# Altium PCB mantarray_beta2_sensor_arrayed.PcbDoc (part 6 of 14) (continued)
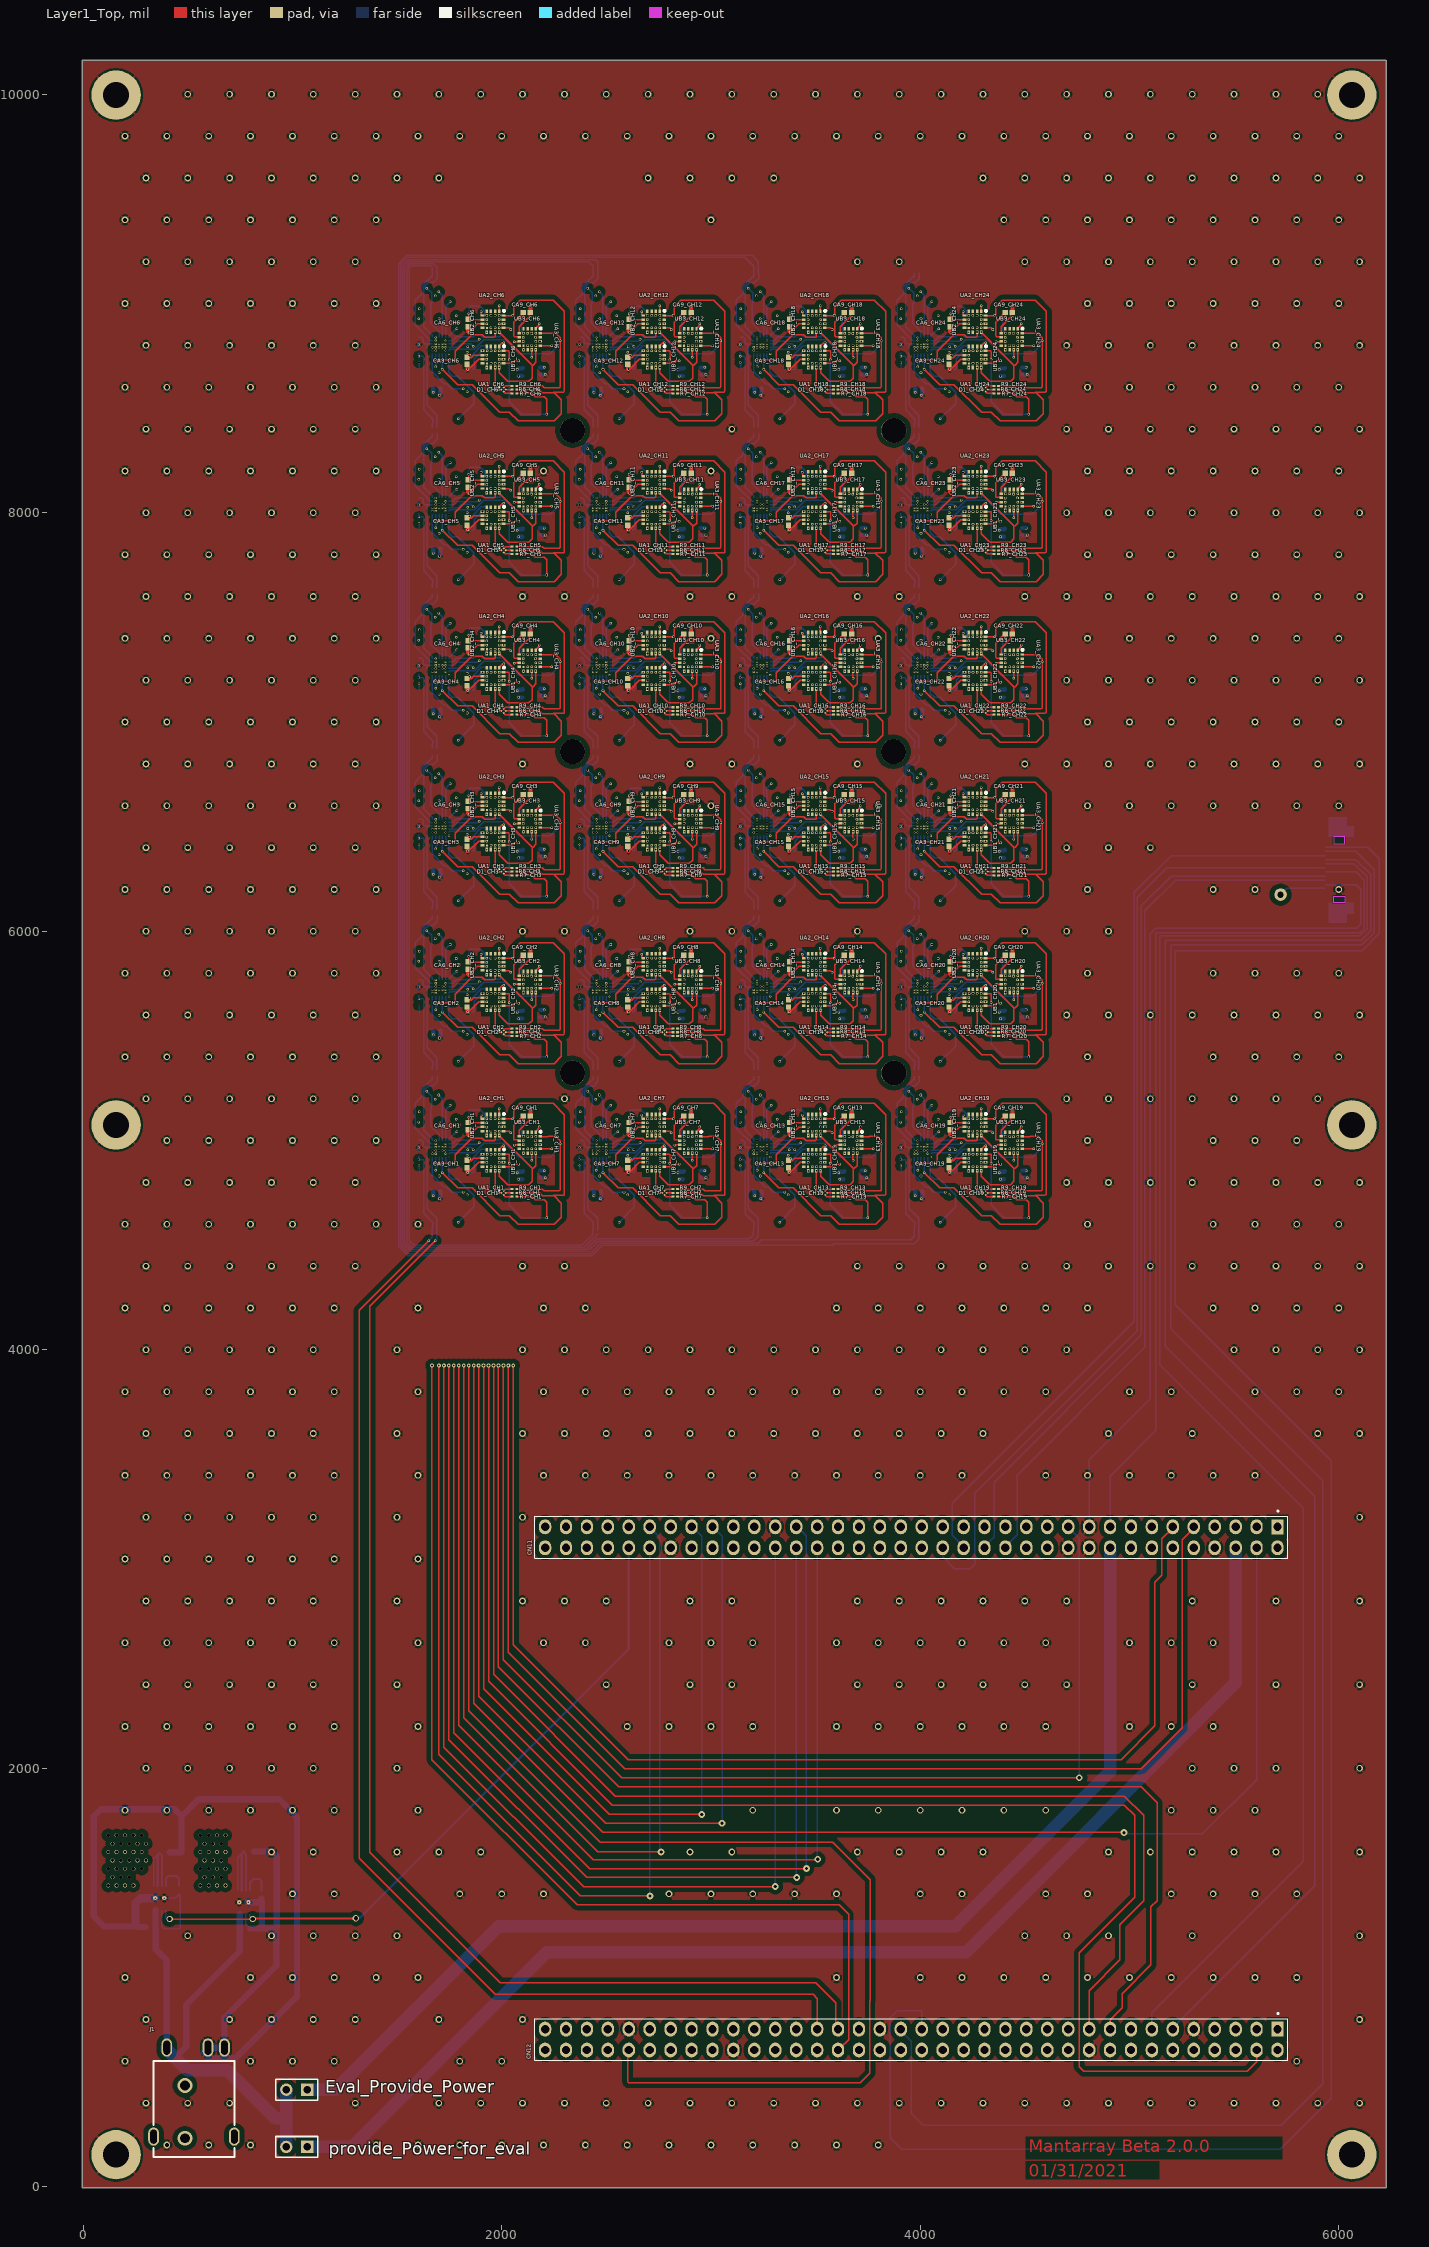
[diagram p0: Layer1_Top view]
## Nets (pads, with @x,y where several pads share a name; then routed paths per layer and width w, separated by ;. In a path a pad name is that pad's centre, name@x,y a point inside that pad or via, vN(x,y) a via of type N, cw(c..) or ccw(c..) an arc to the next point about the centre after c; other vN are vias at no path point) (continued)
BUS_C3: CN11.40
BUS_C4: CN11.39
BUS_C5: CN11.41
BUS_C6: CN11.43
BUS_C7: CN11.45
cap_A_CH1: CA3_CH1.2 UA1_CH1.4 UB1_CH1.10 | length 224.4
  Layer1_Top w6: CA3_CH1.2@1834.65,4905.12 1836.22,4903.54 1854.33,4903.54 1866.14,4915.35 UB1_CH1.10@1908.46,4915.35 ; UA1_CH1.4@1929.63,4935.25 1930.89,4935.25 v1(1931.1,4935.04)
  Layer1_Top w12: CA3_CH1.2@1834.65,4905.12 1834.65,4905.91 1840.85,4912.11 1841.64,4912.11 1842.91,4913.39 v1(1846.46,4913.39)
  Layer8_BOT w6: v1(1846.46,4913.39) 1858.27,4913.39 1903.54,4958.66 1929.56,4958.66 1933.07,4955.15 1933.07,4941.25 1932.25,4940.43 1932.25,4936.19 v1(1931.1,4935.04)
cap_A_CH2: CA3_CH2.2 UA1_CH2.4 UB1_CH2.10 | length 224.4
  Layer1_Top w6: CA3_CH2.2@1834.65,5672.83 1836.22,5671.26 1854.33,5671.26 1866.14,5683.07 UB1_CH2.10@1908.46,5683.07 ; UA1_CH2.4@1929.63,5702.96 1930.89,5702.96 v1(1931.1,5702.76)
  Layer1_Top w12: CA3_CH2.2@1834.65,5672.83 1834.65,5673.62 1840.85,5679.83 1841.64,5679.83 1842.91,5681.1 v1(1846.46,5681.1)
  Layer8_BOT w6: v1(1846.46,5681.1) 1858.27,5681.1 1903.54,5726.38 1929.56,5726.38 1933.07,5722.86 1933.07,5708.97 1932.25,5708.15 1932.25,5703.9 v1(1931.1,5702.76)
cap_A_CH3: CA3_CH3.2 UA1_CH3.4 UB1_CH3.10 | length 224.4
  Layer1_Top w6: CA3_CH3.2@1834.65,6440.55 1836.22,6438.98 1854.33,6438.98 1866.14,6450.79 UB1_CH3.10@1908.46,6450.79 ; UA1_CH3.4@1929.63,6470.68 1930.89,6470.68 v1(1931.1,6470.47)
  Layer1_Top w12: CA3_CH3.2@1834.65,6440.55 1834.65,6441.34 1840.85,6447.54 1841.64,6447.54 1842.91,6448.82 v1(1846.46,6448.82)
  Layer8_BOT w6: v1(1846.46,6448.82) 1858.27,6448.82 1903.54,6494.09 1929.56,6494.09 1933.07,6490.58 1933.07,6476.68 1932.25,6475.86 1932.25,6471.62 v1(1931.1,6470.47)
cap_A_CH4: CA3_CH4.2 UA1_CH4.4 UB1_CH4.10 | length 224.4
  Layer1_Top w6: CA3_CH4.2@1834.65,7208.27 1836.22,7206.69 1854.33,7206.69 1866.14,7218.5 UB1_CH4.10@1908.46,7218.5 ; UA1_CH4.4@1929.63,7238.4 1930.89,7238.4 v1(1931.1,7238.19)
  Layer1_Top w12: CA3_CH4.2@1834.65,7208.27 1834.65,7209.06 1840.85,7215.26 1841.64,7215.26 1842.91,7216.54 v1(1846.46,7216.54)
  Layer8_BOT w6: v1(1846.46,7216.54) 1858.27,7216.54 1903.54,7261.81 1929.56,7261.81 1933.07,7258.3 1933.07,7244.4 1932.25,7243.58 1932.25,7239.34 v1(1931.1,7238.19)
cap_A_CH5: CA3_CH5.2 UA1_CH5.4 UB1_CH5.10 | length 224.4
  Layer1_Top w6: CA3_CH5.2@1834.65,7975.98 1836.22,7974.41 1854.33,7974.41 1866.14,7986.22 UB1_CH5.10@1908.46,7986.22 ; UA1_CH5.4@1929.63,8006.11 1930.89,8006.11 v1(1931.1,8005.91)
  Layer1_Top w12: CA3_CH5.2@1834.65,7975.98 1834.65,7976.77 1840.85,7982.98 1841.64,7982.98 1842.91,7984.25 v1(1846.46,7984.25)
  Layer8_BOT w6: v1(1846.46,7984.25) 1858.27,7984.25 1903.54,8029.53 1929.56,8029.53 1933.07,8026.01 1933.07,8012.12 1932.25,8011.3 1932.25,8007.05 v1(1931.1,8005.91)
cap_A_CH6: CA3_CH6.2 UA1_CH6.4 UB1_CH6.10 | length 224.4
  Layer1_Top w6: CA3_CH6.2@1834.65,8743.7 1836.22,8742.13 1854.33,8742.13 1866.14,8753.94 UB1_CH6.10@1908.46,8753.94 ; UA1_CH6.4@1929.63,8773.83 1930.89,8773.83 v1(1931.1,8773.62)
  Layer1_Top w12: CA3_CH6.2@1834.65,8743.7 1834.65,8744.49 1840.85,8750.69 1841.64,8750.69 1842.91,8751.97 v1(1846.46,8751.97)
  Layer8_BOT w6: v1(1846.46,8751.97) 1858.27,8751.97 1903.54,8797.24 1929.56,8797.24 1933.07,8793.73 1933.07,8779.83 1932.25,8779.01 1932.25,8774.77 v1(1931.1,8773.62)
cap_A_CH7: CA3_CH7.2 UA1_CH7.4 UB1_CH7.10 | length 224.4
  Layer1_Top w6: CA3_CH7.2@2602.36,4905.12 2603.94,4903.54 2622.05,4903.54 2633.86,4915.35 UB1_CH7.10@2676.18,4915.35 ; UA1_CH7.4@2697.26,4935.16 2698.61,4935.25 v1(2698.82,4935.04)
  Layer1_Top w12: CA3_CH7.2@2602.36,4905.12 2602.36,4905.91 2608.57,4912.11 2609.35,4912.11 2610.63,4913.39 v1(2614.17,4913.39)
  Layer8_BOT w6: v1(2614.17,4913.39) 2625.98,4913.39 2671.26,4958.66 2697.27,4958.66 2700.79,4955.15 2700.79,4941.25 2699.97,4940.43 2699.97,4936.19 v1(2698.82,4935.04)
cap_A_CH8: CA3_CH8.2 UA1_CH8.4 UB1_CH8.10 | length 224.4
  Layer1_Top w6: CA3_CH8.2@2602.36,5672.83 2603.94,5671.26 2622.05,5671.26 2633.86,5683.07 UB1_CH8.10@2676.18,5683.07 ; UA1_CH8.4@2697.34,5702.96 2698.61,5702.96 v1(2698.82,5702.76)
  Layer1_Top w12: CA3_CH8.2@2602.36,5672.83 2602.36,5673.62 2608.57,5679.83 2609.35,5679.83 2610.63,5681.1 v1(2614.17,5681.1)
  Layer8_BOT w6: v1(2614.17,5681.1) 2625.98,5681.1 2671.26,5726.38 2697.27,5726.38 2700.79,5722.86 2700.79,5708.97 2699.97,5708.15 2699.97,5703.9 v1(2698.82,5702.76)
cap_A_CH9: CA3_CH9.2 UA1_CH9.4 UB1_CH9.10 | length 224.4
  Layer1_Top w6: CA3_CH9.2@2602.36,6440.55 2603.94,6438.98 2622.05,6438.98 2633.86,6450.79 UB1_CH9.10@2676.18,6450.79 ; UA1_CH9.4@2697.34,6470.68 2698.61,6470.68 v1(2698.82,6470.47)
  Layer1_Top w12: CA3_CH9.2@2602.36,6440.55 2602.36,6441.34 2608.57,6447.54 2609.35,6447.54 2610.63,6448.82 v1(2614.17,6448.82)
  Layer8_BOT w6: v1(2614.17,6448.82) 2625.98,6448.82 2671.26,6494.09 2697.27,6494.09 2700.79,6490.58 2700.79,6476.68 2699.97,6475.86 2699.97,6471.62 v1(2698.82,6470.47)
cap_A_CH10: CA3_CH10.2 UA1_CH10.4 UB1_CH10.10 | length 224.4
  Layer1_Top w6: CA3_CH10.2@2602.36,7208.27 2603.94,7206.69 2622.05,7206.69 2633.86,7218.5 UB1_CH10.10@2676.18,7218.5 ; UA1_CH10.4@2697.34,7238.4 2698.61,7238.4 v1(2698.82,7238.19)
  Layer1_Top w12: CA3_CH10.2@2602.36,7208.27 2602.36,7209.06 2608.57,7215.26 2609.35,7215.26 2610.63,7216.54 v1(2614.17,7216.54)
  Layer8_BOT w6: v1(2614.17,7216.54) 2625.98,7216.54 2671.26,7261.81 2697.27,7261.81 2700.79,7258.3 2700.79,7244.4 2699.97,7243.58 2699.97,7239.34 v1(2698.82,7238.19)
cap_A_CH11: CA3_CH11.2 UA1_CH11.4 UB1_CH11.10 | length 224.4
  Layer1_Top w6: CA3_CH11.2@2602.36,7975.98 2603.94,7974.41 2622.05,7974.41 2633.86,7986.22 UB1_CH11.10@2676.18,7986.22 ; UA1_CH11.4@2697.34,8006.11 2698.61,8006.11 v1(2698.82,8005.91)
  Layer1_Top w12: CA3_CH11.2@2602.36,7975.98 2602.36,7976.77 2608.57,7982.98 2609.35,7982.98 2610.63,7984.25 v1(2614.17,7984.25)
  Layer8_BOT w6: v1(2614.17,7984.25) 2625.98,7984.25 2671.26,8029.53 2697.27,8029.53 2700.79,8026.01 2700.79,8012.12 2699.97,8011.3 2699.97,8007.05 v1(2698.82,8005.91)
cap_A_CH12: CA3_CH12.2 UA1_CH12.4 UB1_CH12.10 | length 224.4
  Layer1_Top w6: CA3_CH12.2@2602.36,8743.7 2603.94,8742.13 2622.05,8742.13 2633.86,8753.94 UB1_CH12.10@2676.18,8753.94 ; UA1_CH12.4@2697.34,8773.83 2698.61,8773.83 v1(2698.82,8773.62)
  Layer1_Top w12: CA3_CH12.2@2602.36,8743.7 2602.36,8744.49 2608.57,8750.69 2609.35,8750.69 2610.63,8751.97 v1(2614.17,8751.97)
  Layer8_BOT w6: v1(2614.17,8751.97) 2625.98,8751.97 2671.26,8797.24 2697.27,8797.24 2700.79,8793.73 2700.79,8779.83 2699.97,8779.01 2699.97,8774.77 v1(2698.82,8773.62)
cap_A_CH13: CA3_CH13.2 UA1_CH13.4 UB1_CH13.10 | length 224.4
  Layer1_Top w6: CA3_CH13.2@3370.08,4905.12 3371.65,4903.54 3389.76,4903.54 3401.57,4915.35 UB1_CH13.10@3443.9,4915.35 ; UA1_CH13.4@3465.06,4935.25 3466.33,4935.25 v1(3466.54,4935.04)
  Layer1_Top w12: CA3_CH13.2@3370.08,4905.12 3370.08,4905.91 3376.28,4912.11 3377.07,4912.11 3378.35,4913.39 v1(3381.89,4913.39)
  Layer8_BOT w6: v1(3381.89,4913.39) 3393.7,4913.39 3438.98,4958.66 3464.99,4958.66 3468.5,4955.15 3468.5,4941.25 3467.68,4940.43 3467.68,4936.19 v1(3466.54,4935.04)
cap_A_CH14: CA3_CH14.2 UA1_CH14.4 UB1_CH14.10 | length 224.4
  Layer1_Top w6: CA3_CH14.2@3370.08,5672.83 3371.65,5671.26 3389.76,5671.26 3401.57,5683.07 UB1_CH14.10@3443.9,5683.07 ; UA1_CH14.4@3465.06,5702.96 3466.33,5702.96 v1(3466.54,5702.76)
  Layer1_Top w12: CA3_CH14.2@3370.08,5672.83 3370.08,5673.62 3376.28,5679.83 3377.07,5679.83 3378.35,5681.1 v1(3381.89,5681.1)
  Layer8_BOT w6: v1(3381.89,5681.1) 3393.7,5681.1 3438.98,5726.38 3464.99,5726.38 3468.5,5722.86 3468.5,5708.97 3467.68,5708.15 3467.68,5703.9 v1(3466.54,5702.76)
cap_A_CH15: CA3_CH15.2 UA1_CH15.4 UB1_CH15.10 | length 224.4
  Layer1_Top w6: CA3_CH15.2@3370.08,6440.55 3371.65,6438.98 3389.76,6438.98 3401.57,6450.79 UB1_CH15.10@3443.9,6450.79 ; UA1_CH15.4@3465.06,6470.68 3466.33,6470.68 v1(3466.54,6470.47)
  Layer1_Top w12: CA3_CH15.2@3370.08,6440.55 3370.08,6441.34 3376.28,6447.54 3377.07,6447.54 3378.35,6448.82 v1(3381.89,6448.82)
  Layer8_BOT w6: v1(3381.89,6448.82) 3393.7,6448.82 3438.98,6494.09 3464.99,6494.09 3468.5,6490.58 3468.5,6476.68 3467.68,6475.86 3467.68,6471.62 v1(3466.54,6470.47)
cap_A_CH16: CA3_CH16.2 UA1_CH16.4 UB1_CH16.10 | length 224.4
  Layer1_Top w6: CA3_CH16.2@3370.08,7208.27 3371.65,7206.69 3389.76,7206.69 3401.57,7218.5 UB1_CH16.10@3443.9,7218.5 ; UA1_CH16.4@3465.06,7238.4 3466.33,7238.4 v1(3466.54,7238.19)
  Layer1_Top w12: CA3_CH16.2@3370.08,7208.27 3370.08,7209.06 3376.28,7215.26 3377.07,7215.26 3378.35,7216.54 v1(3381.89,7216.54)
  Layer8_BOT w6: v1(3381.89,7216.54) 3393.7,7216.54 3438.98,7261.81 3464.99,7261.81 3468.5,7258.3 3468.5,7244.4 3467.68,7243.58 3467.68,7239.34 v1(3466.54,7238.19)
cap_A_CH17: CA3_CH17.2 UA1_CH17.4 UB1_CH17.10 | length 224.4
  Layer1_Top w6: CA3_CH17.2@3370.08,7975.98 3371.65,7974.41 3389.76,7974.41 3401.57,7986.22 UB1_CH17.10@3443.9,7986.22 ; UA1_CH17.4@3465.06,8006.11 3466.33,8006.11 v1(3466.54,8005.91)
  Layer1_Top w12: CA3_CH17.2@3370.08,7975.98 3370.08,7976.77 3376.28,7982.98 3377.07,7982.98 3378.35,7984.25 v1(3381.89,7984.25)
  Layer8_BOT w6: v1(3381.89,7984.25) 3393.7,7984.25 3438.98,8029.53 3464.99,8029.53 3468.5,8026.01 3468.5,8012.12 3467.68,8011.3 3467.68,8007.05 v1(3466.54,8005.91)
cap_A_CH18: CA3_CH18.2 UA1_CH18.4 UB1_CH18.10 | length 224.4
  Layer1_Top w6: CA3_CH18.2@3370.08,8743.7 3371.65,8742.13 3389.76,8742.13 3401.57,8753.94 UB1_CH18.10@3443.9,8753.94 ; UA1_CH18.4@3465.06,8773.83 3466.33,8773.83 v1(3466.54,8773.62)
  Layer1_Top w12: CA3_CH18.2@3370.08,8743.7 3370.08,8744.49 3376.28,8750.69 3377.07,8750.69 3378.35,8751.97 v1(3381.89,8751.97)
  Layer8_BOT w6: v1(3381.89,8751.97) 3393.7,8751.97 3438.98,8797.24 3464.99,8797.24 3468.5,8793.73 3468.5,8779.83 3467.68,8779.01 3467.68,8774.77 v1(3466.54,8773.62)
cap_A_CH19: CA3_CH19.2 UA1_CH19.4 UB1_CH19.10 | length 224.4
  Layer1_Top w6: CA3_CH19.2@4137.8,4905.12 4139.37,4903.54 4157.48,4903.54 4169.29,4915.35 UB1_CH19.10@4211.61,4915.35 ; UA1_CH19.4@4232.78,4935.25 4234.04,4935.25 v1(4234.25,4935.04)
  Layer1_Top w12: CA3_CH19.2@4137.8,4905.12 4137.8,4905.91 4144,4912.11 4144.79,4912.11 4146.06,4913.39 v1(4149.61,4913.39)
  Layer8_BOT w6: v1(4149.61,4913.39) 4161.42,4913.39 4206.69,4958.66 4232.71,4958.66 4236.22,4955.15 4236.22,4941.25 4235.4,4940.43 4235.4,4936.19 v1(4234.25,4935.04)
cap_A_CH20: CA3_CH20.2 UA1_CH20.4 UB1_CH20.10 | length 224.4
  Layer1_Top w6: CA3_CH20.2@4137.8,5672.83 4139.37,5671.26 4157.48,5671.26 4169.29,5683.07 UB1_CH20.10@4211.61,5683.07 ; UA1_CH20.4@4232.78,5702.96 4234.04,5702.96 v1(4234.25,5702.76)
  Layer1_Top w12: CA3_CH20.2@4137.8,5672.83 4137.8,5673.62 4144,5679.83 4144.79,5679.83 4146.06,5681.1 v1(4149.61,5681.1)
  Layer8_BOT w6: v1(4149.61,5681.1) 4161.42,5681.1 4206.69,5726.38 4232.71,5726.38 4236.22,5722.86 4236.22,5708.97 4235.4,5708.15 4235.4,5703.9 v1(4234.25,5702.76)
cap_A_CH21: CA3_CH21.2 UA1_CH21.4 UB1_CH21.10 | length 224.4
  Layer1_Top w6: CA3_CH21.2@4137.8,6440.55 4139.37,6438.98 4157.48,6438.98 4169.29,6450.79 UB1_CH21.10@4211.61,6450.79 ; UA1_CH21.4@4232.78,6470.68 4234.04,6470.68 v1(4234.25,6470.47)
  Layer1_Top w12: CA3_CH21.2@4137.8,6440.55 4137.8,6441.34 4144,6447.54 4144.79,6447.54 4146.06,6448.82 v1(4149.61,6448.82)
  Layer8_BOT w6: v1(4149.61,6448.82) 4161.42,6448.82 4206.69,6494.09 4232.71,6494.09 4236.22,6490.58 4236.22,6476.68 4235.4,6475.86 4235.4,6471.62 v1(4234.25,6470.47)
cap_A_CH22: CA3_CH22.2 UA1_CH22.4 UB1_CH22.10 | length 224.4
  Layer1_Top w6: CA3_CH22.2@4137.8,7208.27 4139.37,7206.69 4157.48,7206.69 4169.29,7218.5 UB1_CH22.10@4211.61,7218.5 ; UA1_CH22.4@4232.78,7238.4 4234.04,7238.4 v1(4234.25,7238.19)
  Layer1_Top w12: CA3_CH22.2@4137.8,7208.27 4137.8,7209.06 4144,7215.26 4144.79,7215.26 4146.06,7216.54 v1(4149.61,7216.54)
  Layer8_BOT w6: v1(4149.61,7216.54) 4161.42,7216.54 4206.69,7261.81 4232.71,7261.81 4236.22,7258.3 4236.22,7244.4 4235.4,7243.58 4235.4,7239.34 v1(4234.25,7238.19)
cap_A_CH23: CA3_CH23.2 UA1_CH23.4 UB1_CH23.10 | length 224.4
  Layer1_Top w6: CA3_CH23.2@4137.8,7975.98 4139.37,7974.41 4157.48,7974.41 4169.29,7986.22 UB1_CH23.10@4211.61,7986.22 ; UA1_CH23.4@4232.78,8006.11 4234.04,8006.11 v1(4234.25,8005.91)
  Layer1_Top w12: CA3_CH23.2@4137.8,7975.98 4137.8,7976.77 4144,7982.98 4144.79,7982.98 4146.06,7984.25 v1(4149.61,7984.25)
  Layer8_BOT w6: v1(4149.61,7984.25) 4161.42,7984.25 4206.69,8029.53 4232.71,8029.53 4236.22,8026.01 4236.22,8012.12 4235.4,8011.3 4235.4,8007.05 v1(4234.25,8005.91)
cap_A_CH24: CA3_CH24.2 UA1_CH24.4 UB1_CH24.10 | length 224.4
  Layer1_Top w6: CA3_CH24.2@4137.8,8743.7 4139.37,8742.13 4157.48,8742.13 4169.29,8753.94 UB1_CH24.10@4211.61,8753.94 ; UA1_CH24.4@4232.78,8773.83 4234.04,8773.83 v1(4234.25,8773.62)
  Layer1_Top w12: CA3_CH24.2@4137.8,8743.7 4137.8,8744.49 4144,8750.69 4144.79,8750.69 4146.06,8751.97 v1(4149.61,8751.97)
  Layer8_BOT w6: v1(4149.61,8751.97) 4161.42,8751.97 4206.69,8797.24 4232.71,8797.24 4236.22,8793.73 4236.22,8779.83 4235.4,8779.01 4235.4,8774.77 v1(4234.25,8773.62)
cap_B_CH1: CA6_CH1.2 UA2_CH1.4 UB2_CH1.10 | length 237.2
  Layer1_Top w6: v1(1842.52,5112.2) 1842.52,5088.19 CA6_CH1.2@1840.55,5086.22 1842.12,5084.65 1902.7,5084.65 UB2_CH1.10@1904.28,5086.22 ; UB2_CH1.10@1906.08,5086.22 1906.89,5086.22 UB2_CH1.10@1908.46,5084.65
  Layer8_BOT w6: v1(1842.52,5112.2) 1844.49,5114.17 1844.49,5141.73 1850.39,5147.64 1897.64,5147.64 1919.95,5125.33 1919.95,5113.52 v1(1929.13,5104.33)
cap_B_CH2: CA6_CH2.2 UA2_CH2.4 UB2_CH2.10 | length 237.2
  Layer1_Top w6: v1(1842.52,5879.92) 1842.52,5855.91 CA6_CH2.2@1840.55,5853.94 1842.12,5852.36 1902.7,5852.36 UB2_CH2.10@1904.28,5853.94 ; UB2_CH2.10@1906.08,5853.94 1906.89,5853.94 UB2_CH2.10@1908.46,5852.36
  Layer8_BOT w6: v1(1842.52,5879.92) 1844.49,5881.89 1844.49,5909.45 1850.39,5915.35 1897.64,5915.35 1919.95,5893.04 1919.95,5881.23 v1(1929.13,5872.05)
cap_B_CH3: CA6_CH3.2 UA2_CH3.4 UB2_CH3.10 | length 237.2
  Layer1_Top w6: v1(1842.52,6647.64) 1842.52,6623.62 CA6_CH3.2@1840.55,6621.65 1842.12,6620.08 1902.7,6620.08 UB2_CH3.10@1904.28,6621.65 ; UB2_CH3.10@1906.08,6621.65 1906.89,6621.65 UB2_CH3.10@1908.46,6620.08
  Layer8_BOT w6: v1(1842.52,6647.64) 1844.49,6649.61 1844.49,6677.17 1850.39,6683.07 1897.64,6683.07 1919.95,6660.76 1919.95,6648.95 v1(1929.13,6639.76)
cap_B_CH4: CA6_CH4.2 UA2_CH4.4 UB2_CH4.10 | length 237.2
  Layer1_Top w6: v1(1842.52,7415.35) 1842.52,7391.34 CA6_CH4.2@1840.55,7389.37 1842.12,7387.8 1902.7,7387.8 UB2_CH4.10@1904.28,7389.37 ; UB2_CH4.10@1906.08,7389.37 1906.89,7389.37 UB2_CH4.10@1908.46,7387.8
  Layer8_BOT w6: v1(1842.52,7415.35) 1844.49,7417.32 1844.49,7444.88 1850.39,7450.79 1897.64,7450.79 1919.95,7428.48 1919.95,7416.67 v1(1929.13,7407.48)
cap_B_CH5: CA6_CH5.2 UA2_CH5.4 UB2_CH5.10 | length 237.2
  Layer1_Top w6: v1(1842.52,8183.07) 1842.52,8159.06 CA6_CH5.2@1840.55,8157.09 1842.12,8155.51 1902.7,8155.51 UB2_CH5.10@1904.28,8157.09 ; UB2_CH5.10@1906.08,8157.09 1906.89,8157.09 UB2_CH5.10@1908.46,8155.51
  Layer8_BOT w6: v1(1842.52,8183.07) 1844.49,8185.04 1844.49,8212.6 1850.39,8218.5 1897.64,8218.5 1919.95,8196.19 1919.95,8184.38 v1(1929.13,8175.2)
cap_B_CH6: CA6_CH6.2 UA2_CH6.4 UB2_CH6.10 | length 237.2
  Layer1_Top w6: v1(1842.52,8950.79) 1842.52,8926.77 CA6_CH6.2@1840.55,8924.8 1842.12,8923.23 1902.7,8923.23 UB2_CH6.10@1904.28,8924.8 ; UB2_CH6.10@1906.08,8924.8 1906.89,8924.8 UB2_CH6.10@1908.46,8923.23
  Layer8_BOT w6: v1(1842.52,8950.79) 1844.49,8952.76 1844.49,8980.31 1850.39,8986.22 1897.64,8986.22 1919.95,8963.91 1919.95,8952.1 v1(1929.13,8942.91)
cap_B_CH7: CA6_CH7.2 UA2_CH7.4 UB2_CH7.10 | length 237.2
  Layer1_Top w6: v1(2610.24,5112.2) 2610.24,5088.19 CA6_CH7.2@2608.27,5086.22 2609.84,5084.65 2670.42,5084.65 UB2_CH7.10@2671.99,5086.22 ; UB2_CH7.10@2673.79,5086.22 2674.61,5086.22 UB2_CH7.10@2676.18,5084.65
  Layer8_BOT w6: v1(2610.24,5112.2) 2612.2,5114.17 2612.2,5141.73 2618.11,5147.64 2665.35,5147.64 2687.66,5125.33 2687.66,5113.52 v1(2696.85,5104.33)
cap_B_CH8: CA6_CH8.2 UA2_CH8.4 UB2_CH8.10 | length 237.2
  Layer1_Top w6: v1(2610.24,5879.92) 2610.24,5855.91 CA6_CH8.2@2608.27,5853.94 2609.84,5852.36 2670.42,5852.36 UB2_CH8.10@2671.99,5853.94 ; UB2_CH8.10@2673.79,5853.94 2674.61,5853.94 UB2_CH8.10@2676.18,5852.36
  Layer8_BOT w6: v1(2610.24,5879.92) 2612.2,5881.89 2612.2,5909.45 2618.11,5915.35 2665.35,5915.35 2687.66,5893.04 2687.66,5881.23 v1(2696.85,5872.05)
cap_B_CH9: CA6_CH9.2 UA2_CH9.4 UB2_CH9.10 | length 237.2
  Layer1_Top w6: v1(2610.24,6647.64) 2610.24,6623.62 CA6_CH9.2@2608.27,6621.65 2609.84,6620.08 2670.42,6620.08 UB2_CH9.10@2671.99,6621.65 ; UB2_CH9.10@2673.79,6621.65 2674.61,6621.65 UB2_CH9.10@2676.18,6620.08
  Layer8_BOT w6: v1(2610.24,6647.64) 2612.2,6649.61 2612.2,6677.17 2618.11,6683.07 2665.35,6683.07 2687.66,6660.76 2687.66,6648.95 v1(2696.85,6639.76)
cap_B_CH10: CA6_CH10.2 UA2_CH10.4 UB2_CH10.10 | length 237.2
  Layer1_Top w6: v1(2610.24,7415.35) 2610.24,7391.34 CA6_CH10.2@2608.27,7389.37 2609.84,7387.8 2670.42,7387.8 UB2_CH10.10@2671.99,7389.37 ; UB2_CH10.10@2673.79,7389.37 2674.61,7389.37 UB2_CH10.10@2676.18,7387.8
  Layer8_BOT w6: v1(2610.24,7415.35) 2612.2,7417.32 2612.2,7444.88 2618.11,7450.79 2665.35,7450.79 2687.66,7428.48 2687.66,7416.67 v1(2696.85,7407.48)
cap_B_CH11: CA6_CH11.2 UA2_CH11.4 UB2_CH11.10 | length 237.2
  Layer1_Top w6: v1(2610.24,8183.07) 2610.24,8159.06 CA6_CH11.2@2608.27,8157.09 2609.84,8155.51 2670.42,8155.51 UB2_CH11.10@2671.99,8157.09 ; UB2_CH11.10@2673.79,8157.09 2674.61,8157.09 UB2_CH11.10@2676.18,8155.51
  Layer8_BOT w6: v1(2610.24,8183.07) 2612.2,8185.04 2612.2,8212.6 2618.11,8218.5 2665.35,8218.5 2687.66,8196.19 2687.66,8184.38 v1(2696.85,8175.2)
cap_B_CH12: CA6_CH12.2 UA2_CH12.4 UB2_CH12.10 | length 237.2
  Layer1_Top w6: v1(2610.24,8950.79) 2610.24,8926.77 CA6_CH12.2@2608.27,8924.8 2609.84,8923.23 2670.42,8923.23 UB2_CH12.10@2671.99,8924.8 ; UB2_CH12.10@2673.79,8924.8 2674.61,8924.8 UB2_CH12.10@2676.18,8923.23
  Layer8_BOT w6: v1(2610.24,8950.79) 2612.2,8952.76 2612.2,8980.31 2618.11,8986.22 2665.35,8986.22 2687.66,8963.91 2687.66,8952.1 v1(2696.85,8942.91)
cap_B_CH13: CA6_CH13.2 UA2_CH13.4 UB2_CH13.10 | length 237.2
  Layer1_Top w6: v1(3377.95,5112.2) 3377.95,5088.19 CA6_CH13.2@3375.98,5086.22 3377.56,5084.65 3438.14,5084.65 UB2_CH13.10@3439.71,5086.22 ; UB2_CH13.10@3441.51,5086.22 3442.32,5086.22 UB2_CH13.10@3443.9,5084.65
  Layer8_BOT w6: v1(3377.95,5112.2) 3379.92,5114.17 3379.92,5141.73 3385.83,5147.64 3433.07,5147.64 3455.38,5125.33 3455.38,5113.52 v1(3464.57,5104.33)
cap_B_CH14: CA6_CH14.2 UA2_CH14.4 UB2_CH14.10 | length 237.2
  Layer1_Top w6: v1(3377.95,5879.92) 3377.95,5855.91 CA6_CH14.2@3375.98,5853.94 3377.56,5852.36 3438.14,5852.36 UB2_CH14.10@3439.71,5853.94 ; UB2_CH14.10@3441.51,5853.94 3442.32,5853.94 UB2_CH14.10@3443.9,5852.36
  Layer8_BOT w6: v1(3377.95,5879.92) 3379.92,5881.89 3379.92,5909.45 3385.83,5915.35 3433.07,5915.35 3455.38,5893.04 3455.38,5881.23 v1(3464.57,5872.05)
cap_B_CH15: CA6_CH15.2 UA2_CH15.4 UB2_CH15.10 | length 237.2
  Layer1_Top w6: v1(3377.95,6647.64) 3377.95,6623.62 CA6_CH15.2@3375.98,6621.65 3377.56,6620.08 3438.14,6620.08 UB2_CH15.10@3439.71,6621.65 ; UB2_CH15.10@3441.51,6621.65 3442.32,6621.65 UB2_CH15.10@3443.9,6620.08
  Layer8_BOT w6: v1(3377.95,6647.64) 3379.92,6649.61 3379.92,6677.17 3385.83,6683.07 3433.07,6683.07 3455.38,6660.76 3455.38,6648.95 v1(3464.57,6639.76)
cap_B_CH16: CA6_CH16.2 UA2_CH16.4 UB2_CH16.10 | length 237.2
  Layer1_Top w6: v1(3377.95,7415.35) 3377.95,7391.34 CA6_CH16.2@3375.98,7389.37 3377.56,7387.8 3438.14,7387.8 UB2_CH16.10@3439.71,7389.37 ; UB2_CH16.10@3441.51,7389.37 3442.32,7389.37 UB2_CH16.10@3443.9,7387.8
  Layer8_BOT w6: v1(3377.95,7415.35) 3379.92,7417.32 3379.92,7444.88 3385.83,7450.79 3433.07,7450.79 3455.38,7428.48 3455.38,7416.67 v1(3464.57,7407.48)
cap_B_CH17: CA6_CH17.2 UA2_CH17.4 UB2_CH17.10 | length 237.2
  Layer1_Top w6: v1(3377.95,8183.07) 3377.95,8159.06 CA6_CH17.2@3375.98,8157.09 3377.56,8155.51 3438.14,8155.51 UB2_CH17.10@3439.71,8157.09 ; UB2_CH17.10@3441.51,8157.09 3442.32,8157.09 UB2_CH17.10@3443.9,8155.51
  Layer8_BOT w6: v1(3377.95,8183.07) 3379.92,8185.04 3379.92,8212.6 3385.83,8218.5 3433.07,8218.5 3455.38,8196.19 3455.38,8184.38 v1(3464.57,8175.2)
cap_B_CH18: CA6_CH18.2 UA2_CH18.4 UB2_CH18.10 | length 237.2
  Layer1_Top w6: v1(3377.95,8950.79) 3377.95,8926.77 CA6_CH18.2@3375.98,8924.8 3377.56,8923.23 3438.14,8923.23 UB2_CH18.10@3439.71,8924.8 ; UB2_CH18.10@3441.51,8924.8 3442.32,8924.8 UB2_CH18.10@3443.9,8923.23
  Layer8_BOT w6: v1(3377.95,8950.79) 3379.92,8952.76 3379.92,8980.31 3385.83,8986.22 3433.07,8986.22 3455.38,8963.91 3455.38,8952.1 v1(3464.57,8942.91)
cap_B_CH19: CA6_CH19.2 UA2_CH19.4 UB2_CH19.10 | length 237.2
  Layer1_Top w6: v1(4145.67,5112.2) 4145.67,5088.19 CA6_CH19.2@4143.7,5086.22 4145.27,5084.65 4205.85,5084.65 UB2_CH19.10@4207.43,5086.22 ; UB2_CH19.10@4209.23,5086.22 4210.04,5086.22 UB2_CH19.10@4211.61,5084.65
  Layer8_BOT w6: v1(4145.67,5112.2) 4147.64,5114.17 4147.64,5141.73 4153.54,5147.64 4200.79,5147.64 4223.1,5125.33 4223.1,5113.52 v1(4232.28,5104.33)
cap_B_CH20: CA6_CH20.2 UA2_CH20.4 UB2_CH20.10 | length 237.2
  Layer1_Top w6: v1(4145.67,5879.92) 4145.67,5855.91 CA6_CH20.2@4143.7,5853.94 4145.27,5852.36 4205.85,5852.36 UB2_CH20.10@4207.43,5853.94 ; UB2_CH20.10@4209.23,5853.94 4210.04,5853.94 UB2_CH20.10@4211.61,5852.36
  Layer8_BOT w6: v1(4145.67,5879.92) 4147.64,5881.89 4147.64,5909.45 4153.54,5915.35 4200.79,5915.35 4223.1,5893.04 4223.1,5881.23 v1(4232.28,5872.05)
cap_B_CH21: CA6_CH21.2 UA2_CH21.4 UB2_CH21.10 | length 237.2
  Layer1_Top w6: v1(4145.67,6647.64) 4145.67,6623.62 CA6_CH21.2@4143.7,6621.65 4145.27,6620.08 4205.85,6620.08 UB2_CH21.10@4207.43,6621.65 ; UB2_CH21.10@4209.23,6621.65 4210.04,6621.65 UB2_CH21.10@4211.61,6620.08
  Layer8_BOT w6: v1(4145.67,6647.64) 4147.64,6649.61 4147.64,6677.17 4153.54,6683.07 4200.79,6683.07 4223.1,6660.76 4223.1,6648.95 v1(4232.28,6639.76)
cap_B_CH22: CA6_CH22.2 UA2_CH22.4 UB2_CH22.10 | length 237.2
  Layer1_Top w6: v1(4145.67,7415.35) 4145.67,7391.34 CA6_CH22.2@4143.7,7389.37 4145.27,7387.8 4205.85,7387.8 UB2_CH22.10@4207.43,7389.37 ; UB2_CH22.10@4209.23,7389.37 4210.04,7389.37 UB2_CH22.10@4211.61,7387.8
  Layer8_BOT w6: v1(4145.67,7415.35) 4147.64,7417.32 4147.64,7444.88 4153.54,7450.79 4200.79,7450.79 4223.1,7428.48 4223.1,7416.67 v1(4232.28,7407.48)
cap_B_CH23: CA6_CH23.2 UA2_CH23.4 UB2_CH23.10 | length 237.2
  Layer1_Top w6: v1(4145.67,8183.07) 4145.67,8159.06 CA6_CH23.2@4143.7,8157.09 4145.27,8155.51 4205.85,8155.51 UB2_CH23.10@4207.43,8157.09 ; UB2_CH23.10@4209.23,8157.09 4210.04,8157.09 UB2_CH23.10@4211.61,8155.51
  Layer8_BOT w6: v1(4145.67,8183.07) 4147.64,8185.04 4147.64,8212.6 4153.54,8218.5 4200.79,8218.5 4223.1,8196.19 4223.1,8184.38 v1(4232.28,8175.2)
cap_B_CH24: CA6_CH24.2 UA2_CH24.4 UB2_CH24.10 | length 237.2
  Layer1_Top w6: v1(4145.67,8950.79) 4145.67,8926.77 CA6_CH24.2@4143.7,8924.8 4145.27,8923.23 4205.85,8923.23 UB2_CH24.10@4207.43,8924.8 ; UB2_CH24.10@4209.23,8924.8 4210.04,8924.8 UB2_CH24.10@4211.61,8923.23
  Layer8_BOT w6: v1(4145.67,8950.79) 4147.64,8952.76 4147.64,8980.31 4153.54,8986.22 4200.79,8986.22 4223.1,8963.91 4223.1,8952.1 v1(4232.28,8942.91)
cap_C_CH1: CA9_CH1.2 UA3_CH1.4 UB3_CH1.10 | length 269.7
  Layer1_Top w6: UB3_CH1.10@2084.07,4999.71 2080.88,5002.91 2060.6,5002.91 2057.09,5006.42 2057.09,5073.23 2101.97,5118.11 CA9_CH1.2@2102.76,5118.11 2104.33,5116.54 v1(2104.33,5096.46)
  Layer8_BOT w6: v1(2104.33,5019.69) 2092.52,5031.5 2092.52,5084.65 v1(2104.33,5096.46)
cap_C_CH2: CA9_CH2.2 UA3_CH2.4 UB3_CH2.10 | length 269.7
  Layer1_Top w6: UB3_CH2.10@2084.07,5767.43 2080.88,5770.62 2060.6,5770.62 2057.09,5774.14 2057.09,5840.94 2101.97,5885.83 CA9_CH2.2@2102.76,5885.83 2104.33,5884.25 v1(2104.33,5864.17)
  Layer8_BOT w6: v1(2104.33,5787.4) 2092.52,5799.21 2092.52,5852.36 v1(2104.33,5864.17)
cap_C_CH3: CA9_CH3.2 UA3_CH3.4 UB3_CH3.10 | length 269.7
  Layer1_Top w6: UB3_CH3.10@2084.07,6535.15 2080.88,6538.34 2060.6,6538.34 2057.09,6541.85 2057.09,6608.66 2101.97,6653.54 CA9_CH3.2@2102.76,6653.54 2104.33,6651.97 v1(2104.33,6631.89)
  Layer8_BOT w6: v1(2104.33,6555.12) 2092.52,6566.93 2092.52,6620.08 v1(2104.33,6631.89)
cap_C_CH4: CA9_CH4.2 UA3_CH4.4 UB3_CH4.10 | length 269.7
  Layer1_Top w6: UB3_CH4.10@2084.07,7302.86 2080.88,7306.06 2060.6,7306.06 2057.09,7309.57 2057.09,7376.38 2101.97,7421.26 CA9_CH4.2@2102.76,7421.26 2104.33,7419.69 v1(2104.33,7399.61)
  Layer8_BOT w6: v1(2104.33,7322.83) 2092.52,7334.65 2092.52,7387.8 v1(2104.33,7399.61)
cap_C_CH5: CA9_CH5.2 UA3_CH5.4 UB3_CH5.10 | length 269.7
  Layer1_Top w6: UB3_CH5.10@2084.07,8070.58 2080.88,8073.77 2060.6,8073.77 2057.09,8077.29 2057.09,8144.09 2101.97,8188.98 CA9_CH5.2@2102.76,8188.98 2104.33,8187.4 v1(2104.33,8167.32)
  Layer8_BOT w6: v1(2104.33,8090.55) 2092.52,8102.36 2092.52,8155.51 v1(2104.33,8167.32)
cap_C_CH6: CA9_CH6.2 UA3_CH6.4 UB3_CH6.10 | length 269.7
  Layer1_Top w6: UB3_CH6.10@2084.07,8838.29 2080.88,8841.49 2060.6,8841.49 2057.09,8845 2057.09,8911.81 2101.97,8956.69 CA9_CH6.2@2102.76,8956.69 2104.33,8955.12 v1(2104.33,8935.04)
  Layer8_BOT w6: v1(2104.33,8858.27) 2092.52,8870.08 2092.52,8923.23 v1(2104.33,8935.04)
cap_C_CH7: CA9_CH7.2 UA3_CH7.4 UB3_CH7.10 | length 269.7
  Layer1_Top w6: UB3_CH7.10@2851.79,4999.71 2848.59,5002.91 2828.32,5002.91 2824.8,5006.42 2824.8,5073.23 2869.69,5118.11 CA9_CH7.2@2870.47,5118.11 2872.05,5116.54 v1(2872.05,5096.46)
  Layer8_BOT w6: v1(2872.05,5019.69) 2860.24,5031.5 2860.24,5084.65 v1(2872.05,5096.46)
cap_C_CH8: CA9_CH8.2 UA3_CH8.4 UB3_CH8.10 | length 269.7
  Layer1_Top w6: UB3_CH8.10@2851.79,5767.43 2848.59,5770.62 2828.32,5770.62 2824.8,5774.14 2824.8,5840.94 2869.69,5885.83 CA9_CH8.2@2870.47,5885.83 2872.05,5884.25 v1(2872.05,5864.17)
  Layer8_BOT w6: v1(2872.05,5787.4) 2860.24,5799.21 2860.24,5852.36 v1(2872.05,5864.17)
cap_C_CH9: CA9_CH9.2 UA3_CH9.4 UB3_CH9.10 | length 269.7
  Layer1_Top w6: UB3_CH9.10@2851.79,6535.15 2848.59,6538.34 2828.32,6538.34 2824.8,6541.85 2824.8,6608.66 2869.69,6653.54 CA9_CH9.2@2870.47,6653.54 2872.05,6651.97 v1(2872.05,6631.89)
  Layer8_BOT w6: v1(2872.05,6555.12) 2860.24,6566.93 2860.24,6620.08 v1(2872.05,6631.89)
cap_C_CH10: CA9_CH10.2 UA3_CH10.4 UB3_CH10.10 | length 269.7
  Layer1_Top w6: UB3_CH10.10@2851.79,7302.86 2848.59,7306.06 2828.32,7306.06 2824.8,7309.57 2824.8,7376.38 2869.69,7421.26 CA9_CH10.2@2870.47,7421.26 2872.05,7419.69 v1(2872.05,7399.61)
  Layer8_BOT w6: v1(2872.05,7322.83) 2860.24,7334.65 2860.24,7387.8 v1(2872.05,7399.61)
cap_C_CH11: CA9_CH11.2 UA3_CH11.4 UB3_CH11.10 | length 269.7
  Layer1_Top w6: UB3_CH11.10@2851.79,8070.58 2848.59,8073.77 2828.32,8073.77 2824.8,8077.29 2824.8,8144.09 2869.69,8188.98 CA9_CH11.2@2870.47,8188.98 2872.05,8187.4 v1(2872.05,8167.32)
  Layer8_BOT w6: v1(2872.05,8090.55) 2860.24,8102.36 2860.24,8155.51 v1(2872.05,8167.32)
cap_C_CH12: CA9_CH12.2 UA3_CH12.4 UB3_CH12.10 | length 269.7
  Layer1_Top w6: UB3_CH12.10@2851.79,8838.29 2848.59,8841.49 2828.32,8841.49 2824.8,8845 2824.8,8911.81 2869.69,8956.69 CA9_CH12.2@2870.47,8956.69 2872.05,8955.12 v1(2872.05,8935.04)
  Layer8_BOT w6: v1(2872.05,8858.27) 2860.24,8870.08 2860.24,8923.23 v1(2872.05,8935.04)
cap_C_CH13: CA9_CH13.2 UA3_CH13.4 UB3_CH13.10 | length 269.7
  Layer1_Top w6: UB3_CH13.10@3619.5,4999.71 3616.31,5002.91 3596.03,5002.91 3592.52,5006.42 3592.52,5073.23 3637.4,5118.11 CA9_CH13.2@3638.19,5118.11 3639.76,5116.54 v1(3639.76,5096.46)
  Layer8_BOT w6: v1(3639.76,5019.69) 3627.95,5031.5 3627.95,5084.65 v1(3639.76,5096.46)